# KiCad board novapcb-layout-v1.1.kicad_pcb (continued)
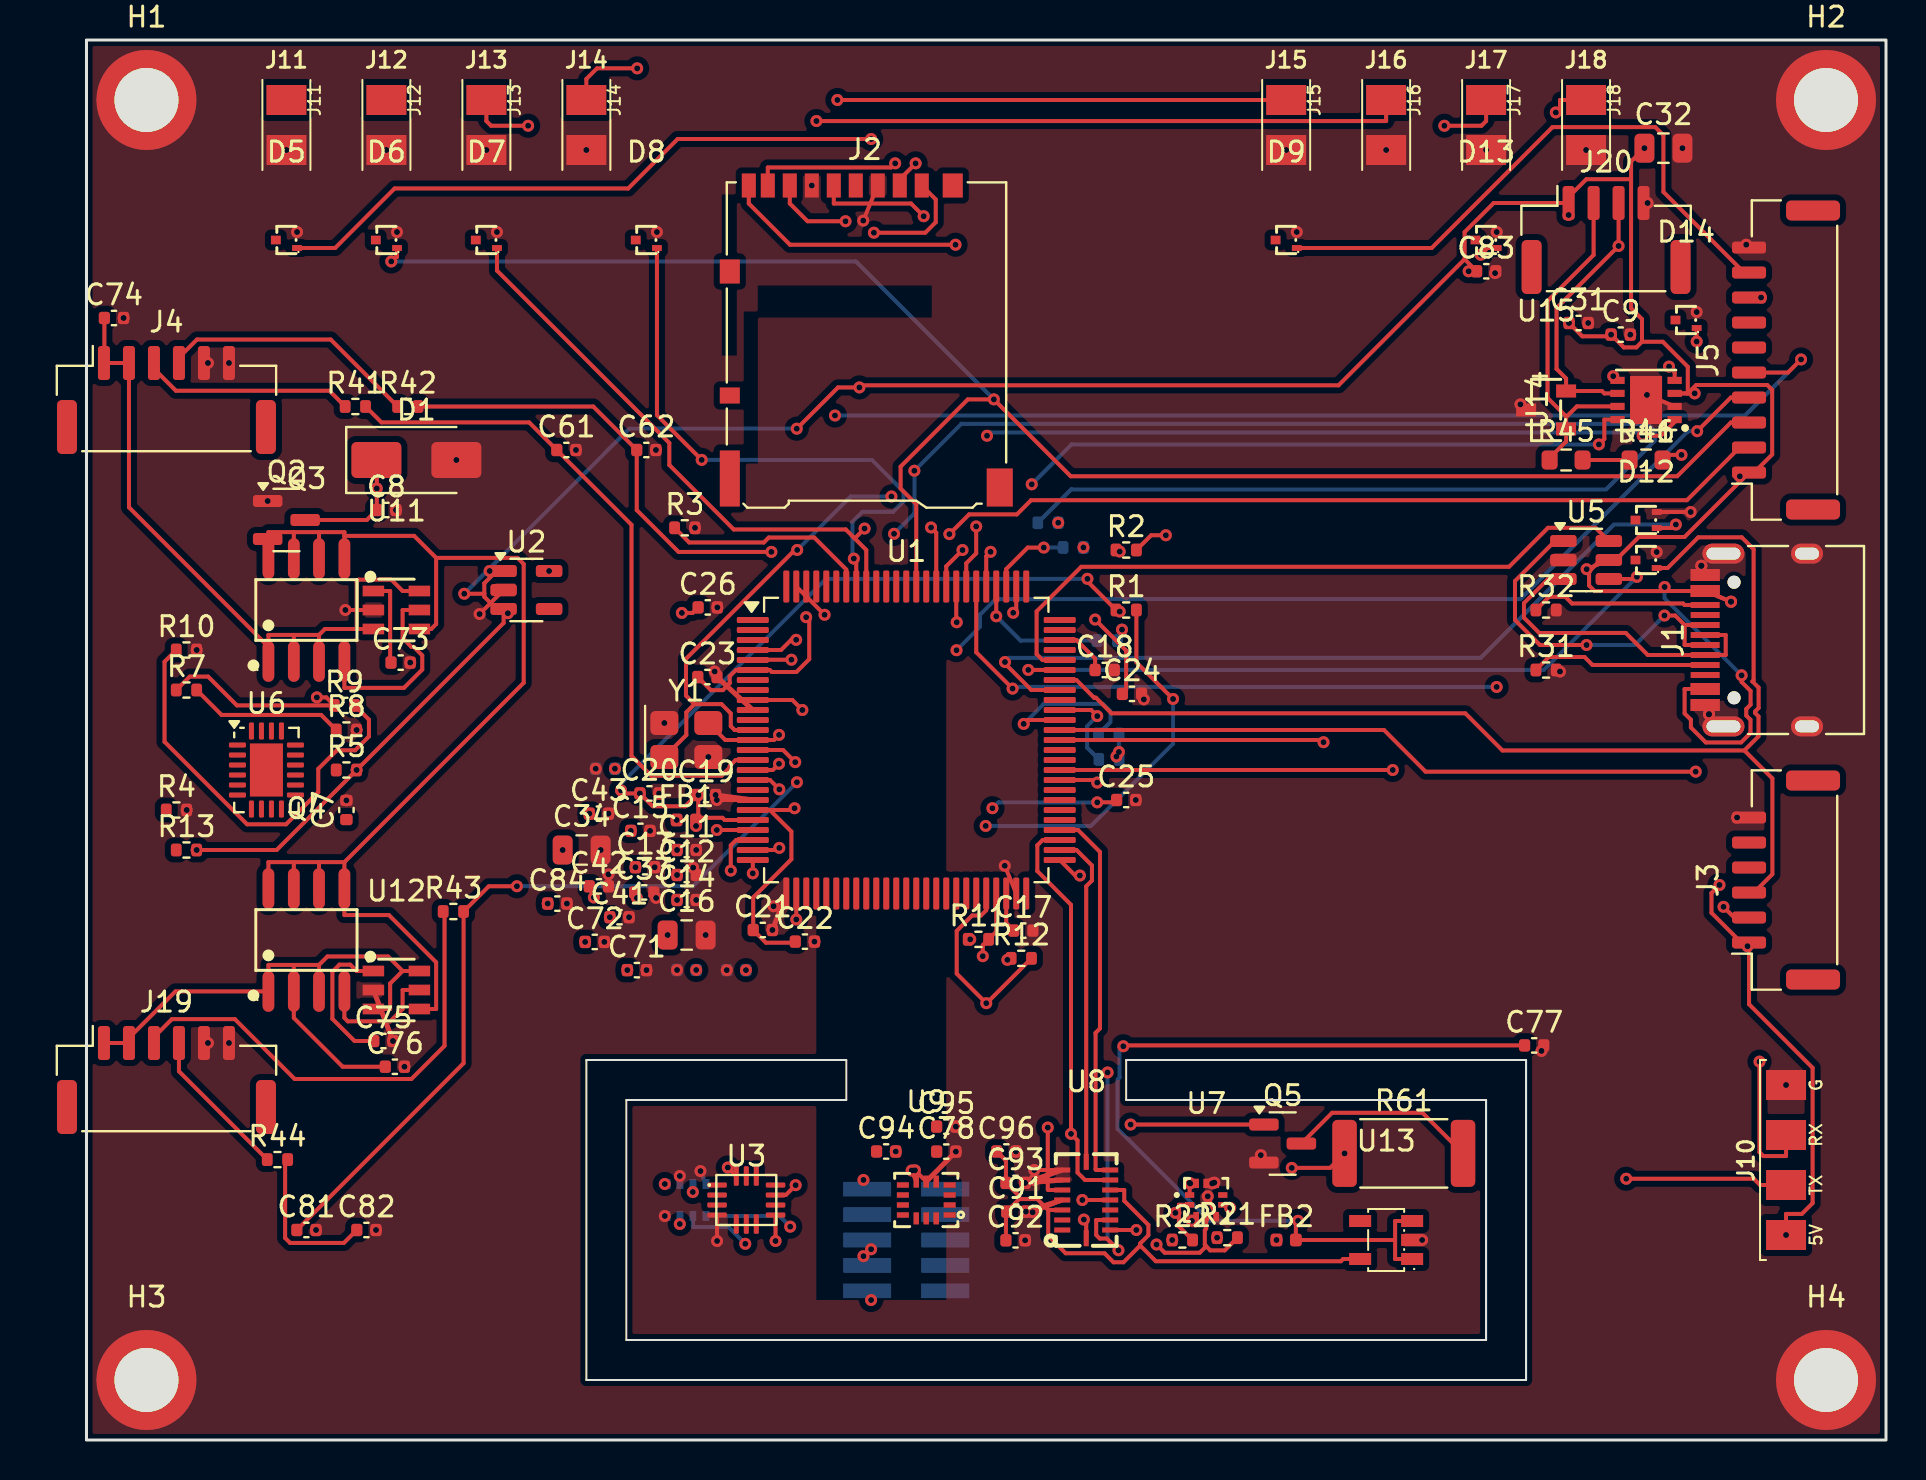
[diagram p0: board, top side]
## Nets
+3V3: C11.1 C12.1 C13.1 C14.1 C15.1 C16.1 C33.1 C34.1 C41.1 C42.1 C43.1 C51.1 C52.1 C63.1 C71.1 C72.1 C84.1 FB1.1 FB2.1 J2.4 J5.8 J9.1 R2.1 R11.1 R12.1 R21.1 R22.1 R51.1 R52.1 R53.1 R54.1 R55.1 U1.11 U1.27 U1.50 U1.75 U1.100 U2.5 U3.8 U3.14 U4.2 U4.6 U4.8 U7.1 U7.6 U7.10 U14.5
+3V3_IMU: C78.1 C91.1 C92.1 C93.1 C94.1 C95.1 C96.1 U8.3 U8.11 U9.5 U9.8 U13.5
+3V3_IMU_PRE: C77.1 FB2.2 U13.1 U13.3
+3V3A: C19.1 C20.1 FB1.2 R1.1 U1.21
+5V: C9.1 C31.1 C32.1 C83.1 J1.A4 J1.A9 J1.B4 J1.B9 J3.1 J5.1 J10.1 J20.1 R5.2 R13.2 R61.1 U2.1 U2.3 U5.5 U14.3
+5V_BEC: Q2.2 Q3.5 Q3.6 Q3.7 Q3.8 Q4.5 Q4.6 Q4.7 Q4.8 U11.4 U12.4
+5V_BEC_A: C74.1 J4.1 J4.2 Q3.1 Q3.2 Q3.3 U11.3 U11.6
+5V_BEC_B: C76.1 J19.1 J19.2 Q4.1 Q4.2 Q4.3 U12.3 U12.6
+5V_BEC_PROT: C8.1 D1.1 Q2.3 R7.1 R9.1
GND: C7.2 C8.2 C9.2 C11.2 C12.2 C13.2 C14.2 C15.2 C16.2 C17.2 C18.2 C19.2 C20.2 C21.2 C22.2 C23.2 C24.2 C25.2 C26.2 C31.2 C32.2 C33.2 C34.2 C41.2 C42.2 C43.2 C51.2 C52.2 C61.2 C62.2 C63.2 C71.2 C72.2 C73.2 C74.2 C75.2 C76.2 C77.2 C78.2 C81.2 C82.2 C83.2 C84.2 C91.2 C92.2 C93.2 C94.2 C95.2 C96.2 D1.2 D5.2 D6.2 D7.2 D8.2 D9.2 D11.2 D12.2 D13.2 D14.2 H1.1 H2.1 H3.1 H4.1 J1.A1 J1.A12 J1.B1 J1.B12 J1.S1 J2.3 J2.6 J3.6 J4.5 J4.6 J5.10 J9.3 J9.5 J9.9 J10.4 J11.2 J12.2 J13.2 J14.2 J15.2 J16.2 J17.2 J18.2 J19.5 J19.6 J20.4 Q2.1 Q5.2 R3.2 R4.2 R8.2 R10.2 R31.2 R32.2 U1.10 U1.19 U1.26 U1.49 U1.74 U1.99 U2.2 U3.4 U4.1 U4.5 U4.7 U5.2 U7.3 U7.5 U7.8 U7.9 U8.4 U8.6 U8.7 U9.6 U9.7 U11.2 U12.2 U13.2 U14.2 U14.9 U15.3 Y1.2 Y1.4
VBAT: C23.1 R2.2 U1.6
BATT2_CURRENT_SENS: C82.1 R44.2 U1.18
BATT2_VOLTAGE_SENS: C81.1 R43.2 U1.17
BATT_CURRENT_SENS: C62.1 R42.2 U1.16
BATT_VOLTAGE_SENS: C61.1 R41.2 U1.15
BMI088_ACC_INT2_TP: U8.1
BMI088_GYR_INT4_TP: U8.13
BOOT0: R3.1 U1.94
BUZZER: D9.1 J5.9 U1.88
CAN1_RX: U1.81 U14.4
CAN1_TX: U1.82 U14.1
CAN_TERM_MID: R45.2 R46.1
CANH_NET: J20.2 R45.1 U14.7 U15.1
CANL_NET: J20.3 R46.2 U14.6 U15.2
EFUSE_DVDT: C7.1
EFUSE_EN: R7.2 R8.1
EFUSE_FLT: R13.1
EFUSE_ILIM: R4.1
EFUSE_OVP: R9.2 R10.1
EFUSE_PGOOD: R5.1
GPIO_CAN1_SILENT: U1.84 U14.8
GPS1_RX: D6.1 J5.3 U1.87
GPS1_TX: D5.1 J5.2 U1.86
HEATER_DRAIN: Q5.3 R61.2
HEATER_PWM: Q5.1 U1.77
HSE_IN: C24.1 U1.12 Y1.1
HSE_OUT: C25.1 U1.13 Y1.3
I2C1_SCL: D7.1 J5.4 R22.2 U1.92 U7.2
I2C1_SDA: D8.1 J5.5 R21.2 U1.93 U7.4
I2C2_SCL: R12.2 U1.46 U4.4
I2C2_SDA: R11.2 U1.47 U4.3
IMU1_CS: U1.9 U3.10
IMU2_ACC_CS: U1.51 U8.14
IMU2_ACC_INT1: U1.4 U8.16
IMU2_GYR_CS: U1.85 U8.5
IMU2_GYR_INT3: U1.5 U8.12
IMU3_CS: U1.1 U9.12
IMU3_INT1: U1.41 U9.4
IMU_INT1_TP: U3.1
LPS22HB_INT_TP: U7.7
LSM6DSV_INT2_TP: U9.9
MAUCH2_CURR_PRE: J19.4 R44.1
MAUCH2_VBAT_PRE: J19.3 R43.1
MAUCH_CURR_PRE: J4.4 R42.1
MAUCH_VBAT_PRE: J4.3 R41.1
MOT1: J11.1 U1.34
MOT2: J12.1 U1.35
MOT3: J13.1 U1.22
MOT4: J14.1 U1.23
MOT5: J15.1 U1.24
MOT6: J16.1 U1.25
MOT7: J17.1 U1.59
MOT8: J18.1 U1.60
NRST: C26.1 J9.10 U1.14
ORING_A_GATE: Q3.4 U11.5
ORING_A_VCAP: C73.1 U11.1
ORING_B_GATE: Q4.4 U12.5
ORING_B_VCAP: C75.1 U12.1
SAFETY_LED_TP: J5.7
SAFETY_SW_TP: J5.6
SDMMC1_CLK: J2.5 U1.80
SDMMC1_CMD: J2.2 R51.2 U1.83
SDMMC1_D0: J2.7 R52.2 U1.65
SDMMC1_D1: J2.8 R53.2 U1.66
SDMMC1_D2: J2.9 R54.2 U1.78
SDMMC1_D3: J2.1 R55.2 U1.79
SPI1_MISO: U1.30 U3.9
SPI1_MOSI: U1.31 U3.12
SPI1_SCK: U1.29 U3.11
SPI2_MISO: U1.53 U8.10 U8.15
SPI2_MOSI: U1.54 U8.9
SPI2_SCK: U1.52 U8.8
SPI3_MISO: U1.90 U9.1
SPI3_MOSI: U1.91 U9.14
SPI3_SCK: U1.89 U9.13
SWCLK: J9.4 U1.76
SWDIO: J9.2 U1.72
USART1_RX: D12.1 J3.3 U1.69
USART1_TX: D11.1 J3.2 U1.68
USART6_RX: D14.1 J10.3 U1.64
USART6_TX: D13.1 J10.2 U1.63
USB_DM: U1.70 U5.4
USB_DP: U1.71 U5.6
USBC_CC1: J1.A5 R31.1
USBC_CC2: J1.B5 R32.1
USBC_D_M_PRE: J1.A7 J1.B7 U5.3
USBC_D_P_PRE: J1.A6 J1.B6 U5.1
VCAP1: C17.1 U1.48
VCAP2: C18.1 U1.73
VREF_P: C21.1 C22.1 R1.2 U1.20

Pads without a net: D5 3; D6 3; D7 3; D8 3; D9 3; D11 3; D12 3; D13 3; D14 3; J1 A8 B8; J2 10 11; J3 4 5 MP; J4 MP; J5 MP; J9 6 7 8; J19 MP; J20 MP; U1 2 3 7 8 28 32 33 36 37 38 39 40 42 43 44 45 55 56 57 58 61 62 67 95 96 97 98; U2 4; U3 2 3 5 6 7 13; U6 1 2 3 4 5 6 7 8 9 10 11 12 13 14 15 16 17 18 19 20 21; U8 2; U9 2 3 10 11; U13 4

## Via types
v1: diameter 0.6, hole 0.3, Top to Bottom, 289 vias

## Routing (per net, layer and track width the routed paths; a pad name or vN(x,y) marks a point on that pad's centre or on a via; arc(x,y) is an arc through that point)
+3V3: length 9.9
  Top w0.2: U3.14 v1(32.08,13.62) ; R11.1 v1(44.2,25.03) ; U7.10 v1(55.2,12.83) ; U1.27 v1(35.5,26.03) ; C42.1 v1(25.38,27.13) ; U7.6 v1(57.2,11.61) ; U3.8 v1(34.46,9.95) ; U14.5 v1(76.36,53.19) ; C33.1 v1(27.53,27.1) ; U7.1 v1(55.17,12.85) ; R2.1 v1(51.67,44.42) ; R12.1 v1(46.06,24.01) ; J5.8 v1(83.75,57.12)
  Bottom w0.2: R53.1 v1(51.51,34.17) ; R55.1 v1(51.79,40.52) ; U4.2 v1(29.68,10.8) ; R52.1 v1(51.63,34.4) ; J9.1 v1(39.24,7) ; U4.6 v1(30.32,12.4) ; U4.8 v1(28.92,12.8)
  vias: v1(23.14,43.45) v1(23.07,26.82) v1(23.82,29.5) v1(24.94,24.9) v1(25.15,31.32) v1(26.18,26.14) v1(26.43,33.57) v1(27.05,23.49) v1(27.23,30.46) v1(27.46,28.64) v1(29.07,25.25) v1(29.52,31) v1(29.54,29.5) v1(29.54,28.25) v1(29.54,27) v1(30.5,23.5) v1(32.98,23.49) v1(48.6,45.86) v1(49.86,44.63) v1(54.3,10) v1(56.54,10.12) v1(59.52,10)
+3V3_IMU: length 29.9
  Top w0.2: 46.65,12.05 47.55,12.05 48.1,11.5 ; 46.65,12.05 C91.1 45.98,11.38 C92.1 ; 46.65,12.05 46.65,12.19 C93.1 45.98,13.97 C96.1 ; 48.1,11.5 U8.3 ; 48.1,11.5 48.1,10.21 48.97,9.34 50.91,9.34 51.36,8.89 51.86,8.89 52.7,9.72 ; U8.11 51.9,12.5 51.9,11.96 53.11,10.75 53.11,10.23 52.7,9.82 52.7,9.72 ; 52.7,9.72 53.48,8.94 62.74,8.94 62.85,9.05 U13.5
+3V3_IMU_PRE: length 44.8
  Top w0.2: 65.45,10 65.45,10.95 U13.3 ; 65.45,10 FB2.2 60.48,10.85 v1(60.6,10.96) ; 65.45,10 65.45,9.05 U13.1 ; C77.1 51.9,19.73 v1(51.85,19.69)
  Bottom w0.2: v1(51.85,19.69) 51.67,19.5 51.67,18.13 51.57,18.02 51.57,15.56 56.16,10.96 v1(60.6,10.96)
+3V3A: length 39.1
  Top w0.2: v1(50.06,43.06) 50.06,42.93 R1.1 v1(51.67,41.42) ; U1.21 31.92,31 31.81,31.11 30.6,31.11 ; C19.1 29.94,31.69 28.32,31.69 v1(27.68,32.33) 26.89,32.33 v1(26.74,32.48) ; C19.1 v1(30.61,32.25) ; C19.1 30.6,32.16 30.6,31.11 ; v1(30.48,30.7) FB1.2 30.6,31.11
  Bottom w0.2: v1(26.74,32.48) 26.74,32.81 36.98,43.06 v1(50.06,43.06)
+5V: length 250.7
  Top w0.2: v1(82.78,38.23) 82.78,37.9 83.23,37.45 83.23,36.77 83.01,36.55 83.01,36.22 83.22,36.01 83.22,35.35 82.75,34.88 80.99,34.88 80.24,35.63 80.24,36.01 80.24,36.01 79.93,36.33 79.93,37.55 J1.A4 ; v1(60.28,13.61) 62.2,13.61 v1(62.92,14.33) ; v1(5.51,29.5) 9.51,29.5 v1(13.51,33.5) 20.86,40.85 U2.3 ; U5.5 v1(75.03,43.54) ; U5.5 75.72,44 75.15,43.43 75.15,42.72 75.43,42.45 78.92,42.45 78.93,42.45 ; U5.5 76.49,44 77.64,45.15 79.93,45.15 J5.1 ; J3.1 v1(83.07,24.69) ; J3.1 82.76,24.88 81.27,26.36 81.27,27.35 v1(81.67,27.75) ; J3.1 83.15,21.79 86.33,18.61 86.33,11.84 85.79,11.3 85,11.3 v1(85,10.25) ; 80.09,52.33 80.09,53.66 78.83,54.91 77.8,54.91 ; 80.09,52.33 U14.3 v1(80.43,52.33) ; 80.09,52.33 80.51,52.75 84.06,52.75 84.31,52.5 84.31,49.28 83.41,48.38 J5.1 ; 19.9,42.31 19.9,42.84 20.51,43.45 U2.1 v1(20.16,43.45) ; 19.9,42.31 v1(18.89,42.31) ; 19.9,42.31 19.9,42.16 20.51,41.55 U2.3 ; J1.A9 v1(82.25,41.91) J1.A9 ; J1.A9 78.93,42.45 ; 77.8,54.91 77.51,54.63 76.89,54.63 v1(76.25,55.27) 76.17,55.18 74.81,55.18 v1(74.14,55.85) ; 77.8,54.91 77.8,56.04 77.25,56.59 77.25,63.04 ; U2.3 v1(21.07,41.34) ; 77.25,63.04 77.25,63.92 v1(77.92,64.59) ; 77.25,63.04 75.02,63.04 74.12,62.15 J20.1 ; v1(35.52,50.57) 37.59,52.63 v1(38.66,52.63) 38.76,52.73 62.62,52.73 68.92,59.04 ; v1(69.13,58.44) C83.1 68.92,59.04 ; J20.1 70.38,61.85 68.92,60.39 68.92,59.04 ; J20.1 v1(74.12,61.25) ; J5.1 v1(82.69,48.18) ; v1(78.93,42.65) 78.93,42.45
  In3.Cu w0.2: v1(81.67,27.75) 83.25,29.33 83.25,37.76 v1(82.78,38.23) ; v1(60.28,13.61) 53.52,13.61 48.68,18.44 48.68,35.45 47.21,36.92 46.11,36.92 45.67,37.37 45.67,38.19 43.76,40.09 43.41,40.09 42.61,40.88 42.61,40.95 39.98,43.58 39.98,44.45 39.78,44.65 39.78,45.75 38.66,46.88 v1(38.66,52.63)
  Bottom w0.2: v1(82.78,38.23) 78.93,42.09 v1(78.93,42.65) ; v1(35.52,50.57) 27.15,50.57 v1(18.89,42.31)
+5V_BEC: length 61.7
  Top w0.2: 11.63,28.89 12.9,28.89 ; 11.63,28.89 Q4.6 ; 11.63,28.89 10.37,28.89 ; 12.9,28.89 Q4.5 12.9,26.25 15.13,26.25 17.49,23.89 17.49,21.55 U12.4 ; 12.9,28.89 21.87,37.86 21.87,43.8 21.56,44.11 17.49,44.11 ; 10.37,45.39 11.63,45.39 ; 10.37,45.39 9.1,45.39 Q3.8 9.1,45.01 Q2.2 ; 10.37,45.39 Q3.7 ; 11.63,45.39 Q3.6 ; 11.63,45.39 12.9,45.39 12.9,45.21 ; Q3.5 12.9,45.21 ; 12.9,45.21 16.39,45.21 17.49,44.11 ; U11.4 17.24,40.55 17.49,40.8 17.49,44.11 ; 10.37,28.89 9.1,28.89 Q4.8 ; 10.37,28.89 Q4.7
+5V_BEC_A: length 35.7
  Top w0.2: U11.3 13.51,40.55 ; 13.51,40.55 13.51,42.91 13.62,43.02 15.24,43.02 15.81,42.45 U11.6 ; 13.51,40.55 11.93,40.55 11.63,40.25 ; 10.37,40.25 11.63,40.25 ; 10.37,40.25 Q3.2 ; 10.37,40.25 9.1,40.25 9.1,39.66 ; 11.63,40.25 Q3.3 ; 9.1,39.66 2.12,46.64 J4.2 0.9,53.85 ; 9.1,39.66 Q3.1 ; 0.9,53.85 C74.1 ; 0.9,53.85 J4.1
+5V_BEC_B: length 31.3
  Top w0.2: C76.1 12.81,18.66 10.37,21.11 Q4.2 10.37,23.75 ; 11.63,23.75 12.05,24.18 15.09,24.18 15.81,23.45 ; 11.63,23.75 10.37,23.75 ; 11.63,23.75 Q4.3 ; 10.37,23.75 9.1,23.75 Q4.1 4.45,22.43 2.12,20.1 J19.2 J19.1 ; U12.3 15.19,21.55 15.19,22.83 15.81,23.45 ; 15.81,23.45 U12.6
+5V_BEC_PROT: length 27.8
  Top w0.2: D1.1 14.52,48.98 v1(14.52,47.58) C8.1 14.02,46 Q2.3 ; v1(11.52,37.13) 11.99,37.13 R9.1 7.52,36.73 6.08,38.17 5.16,38.17 R7.1
  In3.Cu w0.2: v1(14.52,47.58) 11.52,44.58 v1(11.52,37.13)
GND: length 50
  Top w0.2: J3.6 v1(82.55,31.12) ; U9.7 v1(41.27,13.47) ; U9.6 v1(41.43,13.49) ; R31.2 v1(73.69,38.42) ; C33.2 v1(28.49,27.1) ; J4.5 v1(6.08,53.85) ; J20.4 v1(78.08,61.85) ; U1.99 v1(36.91,41.26) ; U7.5 v1(56.08,12.19) ; U1.26 v1(34.36,26.69) ; U14.2 v1(78.04,52.25) ; U2.2 v1(19.66,41.3) ; C12.2 v1(30.34,28.62) ; U15.3 v1(71.72,51.78) ; U13.2 v1(66.8,10) ; U7.3 v1(55.29,10.96) ; U1.19 v1(31.52,32) ; J2.3 v1(38.85,60.97) ; C42.2 v1(26.11,28.28) ; U11.2 v1(12.95,41.5) ; 52.77,37.31 v1(52.88,37.03) ; J19.5 v1(6.08,19.85) ; C23.2 v1(31.42,38.43) ; Q5.2 v1(58.73,14.24) ; U3.4 v1(31.54,9.95) ; U8.4 v1(47.32,11.39) ; U8.6 v1(47.4,13) ; U7.8 v1(56.41,12.87) ; D11.2 v1(80.23,46.4) ; U7.9 v1(56.3,12.83) ; C77.2 v1(72.77,19.45) ; U8.7 v1(47.4,13.5) ; J5.10 v1(83.01,59.77) ; U1.49 v1(45.93,28.71) ; C83.2 v1(70.45,58.34) ; J1.A1 v1(81.15,36.29) J1.A1 ; J1.A12 v1(80.76,43.71) J1.A12
  Top w0.25: U1.26 v1(34.3,25.5) ; U9.6 v1(43.48,14.42) ; U1.19 v1(31.46,32.25) ; U8.6 v1(46.94,12.86) U8.7 ; U12.2 v1(15.33,19.95) ; U8.4 v1(46.98,11.42) ; U1.10 C23.2
  Bottom w0.2: U4.7 v1(29.67,13.2) ; J9.3 v1(38.86,9.19) ; J9.5 v1(39.24,9.54) ; U4.5 v1(30.71,13.45) ; J9.9 v1(38.86,13) ; U4.1 v1(28.92,11.2)
  vias: v1(1.85,56.1) v1(5.01,31.5) v1(5.51,39.5) v1(7.12,53.85) v1(7.12,19.85) v1(9.06,46.95) v1(10,64.5) v1(10.53,60.4) v1(11.48,10.5) v1(13,31.98) v1(13.51,35.5) v1(14.48,10.5) v1(15,64.5) v1(15.53,60.4) v1(15.48,46.5) v1(15.9,18.66) v1(16.19,38.87) v1(18.5,49) v1(20,64.5) v1(20.53,60.4) v1(24.03,26.82) v1(24.48,49.5) v1(25,64.5) v1(25.47,33.57) v1(25.71,29.5) v1(25.9,24.9) v1(26.11,31.32) v1(27.14,26.14) v1(28.01,23.49) v1(28.19,30.46) v1(28.42,28.64) v1(28.53,60.4) v1(28.48,49.5) v1(28.64,32.33) v1(28.9,35.85) v1(29.54,23.5) v1(30.43,45.61) v1(30.5,29.5) v1(30.5,27) v1(30.96,25.25) v1(31.1,34.15) v1(31.55,41.63) v1(32.02,23.49) v1(36.27,62.73) v1(36.41,24.92) v1(40.47,14.43) v1(43.48,15.67) v1(46.49,14.43) v1(46.94,9.98) v1(52.48,32) v1(60,64.5) v1(60.53,60.4) v1(65,64.5) v1(70,64.5) v1(70.53,60.4) v1(75,64.5) v1(75.11,55.85) v1(77.21,55.27) v1(78.53,44.4) v1(79.82,64.59) v1(80.53,56.4) v1(85,17.75)
VBAT: length 64.5
  Top w0.2: R2.2 53.25,45.24 v1(53.98,45.24) ; C23.1 31.23,37.49 31.82,37.49 32.17,37.84 32.17,38.19 32.48,38.5 U1.6 34.18,38.5 34.28,38.4 35.51,38.4 36.15,39.04 36.15,40.99 v1(35.99,41.14)
  In3.Cu w0.2: v1(35.99,41.14) 36.33,41.48 36.33,60.81 38.16,62.64 38.16,64.85 38.96,65.66 41.17,65.66 42.59,64.24 42.59,63.85 42.54,63.8 42.54,63.72 50.78,55.48 50.92,55.48 53.98,52.42 v1(53.98,45.24)
BATT2_CURRENT_SENS: length 7.9
  Top w0.2: C82.1 12.87,9.85 10.19,9.85 9.94,10.1 9.94,13.89 R44.2
BATT2_VOLTAGE_SENS: length 41.3
  Top w0.2: v1(21.53,27.69) 20.12,27.69 R43.2 18.86,18.84 C81.1 ; U1.17 34.18,33 v1(34.65,32.53)
  In3.Cu w0.2: v1(34.65,32.53) 35.18,32.53 v1(35.53,32.89)
  Bottom w0.2: v1(21.53,27.69) 30.33,27.69 v1(35.53,32.89)
BATT_CURRENT_SENS: length 34.9
  Top w0.2: v1(34.25,44.4) 29.61,44.4 27.52,46.5 C62.1 25.34,51.67 R42.2 ; U1.16 34.33,33.5 v1(34.64,33.81)
  In3.Cu w0.2: v1(34.64,33.81) 33.99,34.45 33.99,44.14 v1(34.25,44.4)
BATT_VOLTAGE_SENS: length 34.2
  Top w0.2: R41.2 14.75,50.88 22.14,50.88 C61.1 27.26,45.76 27.26,34.2 28.25,33.21 31.76,33.21 32.17,33.62 32.17,33.7 32.47,34 U1.15
BOOT0: length 10.5
  Top w0.2: U1.94 38,43.52 36.4,45.12 34.12,45.12 33.88,44.88 30.15,44.88 R3.1
BUZZER: length 29.8
  Top w0.2: D9.1 67.28,59.6 73.32,65.64 78.46,65.64 78.87,65.24 78.87,62.4 82.9,58.38 J5.9
CAN1_RX: length 50.5
  Top w0.2: U14.4 79.43,53.39 v1(79.15,53.67) ; v1(46.32,37.57) 44.5,39.39 U1.81
  In3.Cu w0.2: v1(79.15,53.67) 78.68,53.2 78.68,45.81 v1(70.53,37.65)
  Bottom w0.2: v1(46.32,37.57) 46.4,37.65 v1(70.53,37.65)
CAN1_TX: length 42.9
  Top w0.2: U14.1 79.43,50.9 78.74,50.21 v1(77.83,50.21) ; U1.82 44,43.84 44.5,44.33 v1(44.5,45.68)
  In3.Cu w0.2: v1(45.04,50.21) 44.5,49.67 44.5,45.68 v1(44.5,45.68)
  Bottom w0.2: v1(45.04,50.21) 45.21,50.38 77.66,50.38 v1(77.83,50.21)
CAN_TERM_MID: length 2.3
  Top w0.2: R46.1 R45.2
CANH_NET: length 17.3
  Top w0.2: J20.2 75.38,59.25 73.07,56.95 73.07,52.1 74,51.18 74,51.14 ; 74,51.14 74.54,51.68 U14.7 ; 74,51.14 U15.1 74,49.92 73.17,49.1 R45.1
CANL_NET: length 26.3
  Top w0.2: R46.2 79.08,49.26 v1(79.77,49.26) ; U14.6 75.91,52.33 75.79,52.45 U15.2 74,53.08 73.52,53.55 73.52,56.6 v1(76.62,59.7) J20.3
  In3.Cu w0.2: v1(79.77,49.26) 79.77,49.26 79.77,56.55 v1(76.62,59.7)
EFUSE_EN: length 7.8
  Top w0.2: R8.1 11.74,36.25 6.76,36.25 R7.2
EFUSE_OVP: length 21.1
  Top w0.2: R10.1 3.9,38.91 3.9,34.91 8.03,30.78 9.98,30.78 11.59,32.39 11.59,33.56 12.52,34.49 13.43,34.49 14.13,35.18 14.13,36.02 R9.2
GPIO_CAN1_SILENT: length 40
  Top w0.2: U14.8 75.91,51.02 75.91,50.05 v1(75.64,49.78) ; v1(43.81,44.5) 43,43.69 U1.84
  In3.Cu w0.2: v1(47.28,47.79) 47.28,45.6 45.48,43.81 44.5,43.81 v1(43.81,44.5)
  Bottom w0.2: v1(75.64,49.78) 49.27,49.78 v1(47.28,47.79)
GPS1_RX: length 86.7
  Top w0.2: J5.3 82.24,50.88 79.56,48.19 49.22,48.19 v1(45.38,52.03) 44.08,52.03 40.72,48.67 40.72,47.57 41.5,46.79 U1.87 ; v1(15.24,58.93) 15.47,59.15 15.53,59.15 D6.1
  Bottom w0.2: v1(15.24,58.93) 38.48,58.93 v1(45.38,52.03)
GPS1_TX: length 94.1
  Top w0.2: v1(43.16,45.29) 44.14,46.28 46.53,46.28 47.24,46.99 80.04,46.99 82.68,49.62 J5.2 ; D5.1 12.43,59.6 15.41,62.58 27.09,62.58 29.57,65.05 v1(39.25,65.05)
  In3.Cu w0.2: v1(39.25,65.05) 39.25,62.21 40.4,61.05 40.4,48.61 42.85,46.17 42.85,45.6 v1(43.16,45.29)
HEATER_DRAIN: length 9.6
  Top w0.2: R61.2 66.82,16.36 62.3,16.36 Q5.3
HEATER_PWM: length 36.1
  Top w0.2: Q5.1 v1(52.22,15.77) ; U1.77 46.5,41.51 v1(46.35,41.36)
  In3.Cu w0.2: v1(52.22,15.77) 49.08,18.91 49.08,38.63 v1(46.35,41.36)
HSE_IN: length 40.6
  Top w0.2: v1(50.45,41.02) 52,39.47 52,37.5 C24.1 ; 30.41,36.79 29.98,37.22 29.98,39.06 35.43,44.5 v1(35.54,44.5) ; 30.41,36.79 31.76,36.79 32.22,36.33 32.22,35.69 32.42,35.5 U1.12 ; 30.41,36.79 30,36.39 30,35.25 Y1.1
  In3.Cu w0.2: v1(40.26,47.18) 41.64,45.8 41.64,45.38 41.99,45.03 42.41,45.03 44.03,43.41 48.06,43.41 v1(50.45,41.02)
  Bottom w0.2: v1(35.54,44.5) 38.22,47.18 v1(40.26,47.18)
HSE_OUT: length 25.4
  Top w0.2: v1(34.64,35.26) 34.38,35 U1.13 31.95,35 Y1.3 ; C25.1 51.4,31.88 v1(50.55,31.88)
  In3.Cu w0.2: v1(34.64,35.26) 34.64,36.86 35.28,37.5 39.4,37.5 v1(45.31,31.59)
  Bottom w0.2: v1(45.31,31.59) 45.6,31.88 v1(50.55,31.88)
I2C1_SCL: length 117.9
  Top w0.2: 54.64,11.36 54.64,10.68 R22.2 ; 54.64,11.36 54.64,11.76 U7.2 ; 54.64,11.36 v1(54.46,11.36) ; v1(80.56,50.44) 82.24,52.12 J5.4 ; 38.42,45.08 39,44.5 U1.92 ; 38.42,45.08 v1(38.92,45.57) ; 38.42,45.08 37.97,45.53 32.37,45.53 29.15,48.75 29.15,49.85 20.53,58.47 D7.1
  In3.Cu w0.2: v1(38.92,45.57) 39.38,45.11 39.38,44.49 39.38,44.49 39.38,43.55 43.44,39.49 v1(43.51,39.49) 45.27,37.74 45.27,37.2 45.95,36.52 47.03,36.52 48.28,35.27 48.28,18.25 54.46,12.07 v1(54.46,11.36)
  Bottom w0.2: v1(43.51,39.49) 44.69,40.66 44.69,41.27 45.47,42.05 71.71,42.05 80.11,50.44 v1(80.56,50.44)
I2C1_SDA: length 135.8
  Top w0.2: U7.4 56,10.56 55.93,10.5 55.93,9.76 56,9.69 ; 56,9.69 55.68,9.36 53.93,9.36 v1(53.52,9.77) ; 56,9.69 56.21,9.48 56.93,9.48 R21.2 ; v1(30.77,49) 28.53,51.24 D8.1 ; J5.5 85.1,53.38 v1(85.75,54.03) ; U1.93 38.5,43.95 v1(38.38,44.07)
  In3.Cu w0.2: v1(37.44,51.22) 37.44,45.01 v1(38.38,44.07) 38.38,42.95 47.88,33.45 47.88,17.52 53.52,11.88 v1(53.52,9.77)
  Bottom w0.2: v1(37.44,51.22) 82.95,51.22 v1(85.75,54.03) ; v1(38.38,44.07) 38.3,44.15 38.3,45.9 38.81,46.41 40.34,46.41 40.86,46.93 40.86,47.43 39.28,49 v1(30.77,49)
I2C2_SCL: length 29.8
  Top w0.2: U1.46 45,26.49 44.74,26.22 44.29,26.22 43.52,25.45 43.52,23.32 v1(45,21.84) 45.02,21.84 R12.2
  In3.Cu w0.2: v1(45,21.84) 45,20.47 v1(35.2,10.67)
  Bottom w0.2: U4.4 34.66,11.2 v1(35.2,10.67)
I2C2_SDA: length 26.5
  Top w0.2: U1.47 45.5,25.41 R11.2 44.83,24.74 v1(44.83,24.19)
  In3.Cu w0.2: v1(32.95,9.81) 33.43,9.81 43.26,19.64 43.26,22.62 v1(44.83,24.19)
  Bottom w0.2: v1(32.95,9.81) 32.11,10.65 30.32,10.65 U4.3
IMU1_CS: length 29.9
  Top w0.2: U1.9 35.3,37 v1(35.8,36.5) ; v1(35.47,12.74) 34.98,12.25 U3.10
  In3.Cu w0.2: v1(35.8,36.5) 38.32,33.99 38.32,15.59 v1(35.47,12.74)
IMU2_ACC_CS: length 23.7
  Top w0.2: U8.14 50.5,11 50.5,10.25 50.67,10.07 51.03,10.07 v1(51.61,9.49) ; v1(49.68,28.22) 49.45,28.22 U1.51
  In3.Cu w0.2: v1(49.68,28.22) 51.07,26.84 v1(51.07,18.38)
  Bottom w0.2: v1(51.61,9.49) 51.07,10.03 v1(51.07,18.38)
IMU2_ACC_INT1: length 40.4
  Top w0.2: v1(35.49,40.01) 35.25,40.01 34.74,39.5 U1.4 ; U8.16 50,10.79 49.88,10.91 v1(49.88,11.02)
  In3.Cu w0.2: v1(35.49,40.01) 35.49,40.01 38.31,40.01 47.07,31.25 47.07,15.76 50.45,12.38 50.45,11.59 v1(49.88,11.02)
IMU2_GYR_CS: length 76.7
  Top w0.2: U1.85 42.5,45.37 v1(42.24,45.63) ; U8.5 48.1,12.5 48.08,12.52 v1(48.08,15.62)
  In3.Cu w0.2: v1(42.24,45.63) 42.4,45.79 42.4,46.05 40,48.45 40,60.65 39.07,61.59 37.72,61.59 36.78,60.65 36.78,42.18 47.47,31.48 47.47,16.23 v1(48.08,15.62)
IMU2_GYR_INT3: length 38.4
  Top w0.2: U1.5 33.34,39.01 v1(35.26,39.01) ; U8.12 v1(49.81,12)
  In3.Cu w0.2: v1(35.26,39.01) 38.74,39.01 46.67,31.08 46.67,15.14 v1(49.81,12)
MAUCH2_CURR_PRE: length 7.7
  Top w0.2: J19.4 4.62,18.44 R44.1
MAUCH2_VBAT_PRE: length 23.9
  Top w0.2: J19.3 3.38,20.15 4.27,21.04 7.42,21.04 10.41,18.05 16.25,18.05 17.91,19.71 17.91,26.36 R43.1
MAUCH_CURR_PRE: length 13
  Top w0.2: J4.4 4.62,54.12 5.53,55.02 12.21,55.02 R42.1
MAUCH_VBAT_PRE: length 10.6
  Top w0.2: J4.3 3.38,53.56 4.47,52.46 12.15,52.46 R41.1
MOT3: length 44.2
  Top w0.2: J13.1 20,65.95 20.24,65.71 v1(22.09,65.71) ; U1.22 v1(31.52,30.5)
  In3.Cu w0.2: v1(31.52,30.5) 22.09,39.94 v1(22.09,65.71)
MOT4: length 48.7
  Top w0.2: v1(27.54,68.58) 25.53,68.58 25,68.05 J14.1 ; v1(32.22,28.47) 32.22,29.73 32.49,30 U1.23
  In3.Cu w0.2: v1(32.22,28.47) 32.62,28.87 32.62,63.5 v1(27.54,68.58)
MOT5: length 63.3
  Top w0.2: J15.1 v1(37.55,67) ; v1(34.65,29.6) 34.55,29.5 U1.24
  In3.Cu w0.2: v1(37.55,67) 37.55,62.86 33.58,58.89 33.58,30.67 v1(34.65,29.6)
MOT6: length 69.3
  Top w0.2: v1(36.51,65.95) 65,65.95 J16.1 ; v1(33.33,28.33) U1.25
  In3.Cu w0.2: v1(33.33,28.33) 33.18,28.48 33.18,62.62 v1(36.51,65.95)
MOT7: length 45.5
  Top w0.2: v1(50.55,32.87) 50.42,33 U1.59 ; J17.1 70,65.95 69.76,65.71 v1(67.91,65.71)
  In3.Cu w0.2: v1(50.55,32.87) 51.01,32.87 67.91,49.77 v1(67.91,65.71)
MOT8: length 54.9
  Top w0.2: U1.60 v1(65.33,33.5) ; J18.1 73.7,67 73.7,66.59 v1(73.49,66.38)
  In3.Cu w0.2: v1(73.49,66.38) 73.49,41.66 v1(65.33,33.5)
NRST: length 28.2
  Top w0.2: v1(35.45,33.89) 34.84,34.5 U1.14 ; C26.1 30.32,41.35 v1(29.78,41.35)
  In3.Cu w0.2: v1(29.78,41.35) 32.17,38.96 32.17,29.31 31.61,28.75 31.61,28.23 32.15,27.68 33.61,27.68 35.29,29.36 35.29,30.82 34.04,32.07 34.04,32.78 34.43,33.17 34.88,33.17 35.45,33.73 v1(35.45,33.89)
ORING_A_GATE: length 9.9
  Top w0.2: Q3.4 12.9,37.61 15.88,37.61 16.79,38.52 16.79,39.23 16.37,39.66 16.25,39.66 15.81,40.1 15.81,41.5 U11.5
ORING_A_VCAP: length 4.4
  Top w0.2: U11.1 15.19,42.45 15.19,38.91 C73.1
ORING_B_GATE: length 6.4
  Top w0.2: Q4.4 12.9,21.11 13.07,20.93 15.19,20.93 15.81,21.55 15.81,22.5 U12.5
ORING_B_VCAP: length 7.2
  Top w0.2: C75.1 13.41,19.95 12.3,21.06 12.3,23.41 12.65,23.77 13.19,23.77 13.51,23.45 U12.1
SDMMC1_CLK: length 25.8
  Top w0.2: J2.5 37.38,61.82 41.24,61.82 v1(41.87,61.19) ; v1(45.22,44.41) 45,44.19 U1.80
  In3.Cu w0.2: v1(45.22,44.41) 44.91,44.41 43.25,46.07 43.25,46.34 42.83,46.76 42.83,60.23 v1(41.87,61.19)
SDMMC1_CMD: length 99.2
  Top w0.2: v1(43.52,40.89) 43.5,40.91 U1.83 ; J2.2 40.67,63.04 v1(41.47,63.83)
  In3.Cu w0.2: v1(40.39,45.31) 40.39,44.02 v1(43.52,40.89) ; v1(41.41,48.46) 41.26,48.61 41.26,63.62 v1(41.47,63.83)
  Bottom w0.2: v1(40.39,45.31) 41.41,46.33 v1(41.41,48.46) 43.76,50.81 78.08,50.81 78.43,50.46 78.43,49.96 76,47.53 49.25,47.53 R51.2
SDMMC1_D0: length 41.5
  Top w0.2: U1.65 47.07,36 v1(46.87,35.8) ; v1(37.96,60.94) 36.06,60.94 35.17,61.82 J2.7
  In3.Cu w0.2: v1(46.87,35.8) 46.56,36.12 45.78,36.12 44.86,37.04 44.86,37.29 38.98,43.17 38.98,44.32 38.98,44.32 38.98,44.62 38.04,45.56 38.04,60.86 v1(37.96,60.94)
  Bottom w0.2: v1(46.87,35.8) 47.88,36.81 50.83,36.81 51.21,36.43 51.21,35.89 R52.2
SDMMC1_D1: length 46
  Top w0.2: U1.66 50.25,36.5 v1(50.55,36.19) ; J2.8 34.08,63.63 40.24,63.63 v1(40.45,63.83)
  In3.Cu w0.2: v1(40.45,63.83) 41.08,64.47 41.79,64.47 42.17,64.09 42.17,64 42.1,63.93 42.1,63.59 51.06,54.63 51.06,36.71 v1(50.55,36.19)
  Bottom w0.2: v1(50.55,36.19) 50.04,35.69 50.04,34.62 R53.2
SDMMC1_D2: length 33.2
  Top w0.2: J2.9 33.12,61.82 35.19,59.76 v1(43.46,59.76) ; U1.78 46,43.55 47.07,44.62 v1(47.88,44.62)
  In3.Cu w0.2: v1(43.46,59.76) 47.88,55.35 v1(47.88,44.62)
  Bottom w0.2: R54.2 48.84,44.62 v1(47.88,44.62)
SDMMC1_D3: length 34.3
  Top w0.2: v1(39.38,60.36) 41.95,60.36 42.47,60.89 42.47,62.03 J2.1 ; v1(45.5,41.19) U1.79
  In3.Cu w0.2: v1(45.5,41.19) 45.26,41.19 41.24,45.21 41.24,45.35 39.38,47.2 v1(39.38,60.36)
  Bottom w0.2: R55.2 46.72,39.97 v1(45.5,41.19)
SPI2_MISO: length 27.7
  Top w0.2: v1(52.51,10.5) U8.15 ; U1.53 47.82,30 47.56,29.73 47.56,28.44 49.24,26.76 v1(49.24,15.31) 49.57,14.98 49.57,13.37 49.94,13 U8.10
  In3.Cu w0.2: v1(49.24,15.31) 52.51,12.04 v1(52.51,10.5)
SPI2_MOSI: length 19.2
  Top w0.2: U1.54 49.59,30.5 50.69,29.4 50.69,20.58 50.47,20.36 50.47,13.53 50.5,13.5 U8.9
SPI2_SCK: length 16.9
  Top w0.2: U1.52 49.51,29.5 50.29,28.73 50.29,27.97 50,27.69 U8.8
USART1_RX: length 60.4
  Top w0.2: D12.1 79.08,43.6 80.61,45.13 82.78,45.13 83.38,44.54 83.38,37.98 83.32,37.93 83.63,37.62 83.63,36.6 83.46,36.43 83.46,36.35 83.62,36.18 83.62,35.18 82.92,34.48 ; U1.69 49.51,38 50.39,37.12 50.39,37.12 50.48,37.12 51.27,36.33 68.96,36.33 70.82,34.48 82.92,34.48 ; 82.92,34.48 84.32,33.08 84.32,28.29 83.4,27.38 J3.3
USART1_TX: length 62.4
  Top w0.2: v1(81.87,26.66) 82.41,26.12 J3.2 ; D11.1 79.32,45.6 v1(79.49,45.77) ; v1(45.94,38.9) 45.94,38.82 47.26,37.5 U1.68
  In3.Cu w0.2: v1(81.87,26.66) 79.53,29 79.53,45.74 v1(79.49,45.77)
  Bottom w0.2: v1(45.94,38.9) 46.15,39.11 69.73,39.11 76.4,45.77 v1(79.49,45.77)
USART6_RX: length 84.9
  Top w0.2: v1(80.48,33.42) 66.97,33.42 64.89,35.5 U1.64 ; J10.3 85,14.2 83.86,14.2 83.67,14.39 v1(83.67,18.92) ; v1(80.53,54.92) D14.1
  In3.Cu w0.2: 83.31,38.85 83.67,38.49 v1(83.67,18.92) ; 83.31,38.85 82.54,38.85 80.48,36.79 v1(80.48,33.42) ; 83.31,38.85 83.31,52.58 80.97,54.92 v1(80.53,54.92)
USART6_TX: length 78.6
  Top w0.2: U1.63 61.76,35 v1(61.87,34.89) ; J10.2 83.7,12.75 83.39,13.06 v1(77.01,13.06) ; D13.1 69.98,59.6 69.98,59.52 v1(69.73,59.26)
  In3.Cu w0.2: 64.73,34.89 64.73,28.36 77.01,16.08 v1(77.01,13.06) ; 64.73,34.89 v1(61.87,34.89) ; 64.73,34.89 69.73,39.89 v1(69.73,59.26)
USB_DM: length 35.4
  Top w0.2: v1(47.1,38.5) 48.67,38.5 U1.70 ; v1(77.54,43.16) 77.43,43.05 U5.4
  Bottom w0.2: v1(47.1,38.5) 72.89,38.5 v1(77.54,43.16)
USB_DP: length 34
  Top w0.2: U1.71 47.81,39 47.52,39.29 47.52,41.43 49.75,43.66 71.15,43.66 73.1,45.61 75.48,45.61 U5.6
USBC_CC1: length 8.9
  Top w0.2: J1.A5 75.32,38.75 74.93,39.15 73.14,39.15 R31.1
USBC_CC2: length 8.9
  Top w0.2: R32.1 73.15,42.16 73.96,42.16 74.3,41.83 79.85,41.83 79.93,41.75 J1.B5
USBC_D_M_PRE: length 16.1
  Top w0.2: J1.A7 81.98,40.25 81.98,39.25 J1.B7 78.09,39.25 76.99,40.35 74.77,40.35 74.77,40.35 72.66,40.35 71.89,41.12 71.89,41.85 73.1,43.05 U5.3
USBC_D_P_PRE: length 18.1
  Top w0.2: v1(78.92,41.22) 79.45,41.22 79.93,40.75 ; J1.A6 79.93,39.75 79.93,40.75 ; J1.B6 79.93,40.75 ; U5.1 73.44,44.95 71.44,42.95 71.44,41 72.69,39.75 v1(75.02,39.75)
  Bottom w0.2: v1(75.02,39.75) 77.44,39.75 v1(78.92,41.22)
VCAP1: length 2
  Top w0.2: C17.1 46,25.84 U1.48
VCAP2: length 2.7
  Top w0.2: U1.73 49.51,40 50.45,39.06 C18.1
VREF_P: length 48.8
  Top w0.2: U1.20 34.18,31.5 ; 34.18,31.5 35.25,30.42 35.25,29.04 33.34,27.13 33.34,25.5 33.98,24.87 35.4,24.87 C22.1 ; 34.18,31.5 35.33,31.5 v1(35.41,31.59) ; R1.2 52.51,38.88 v1(54.34,37.05)
  In3.Cu w0.2: v1(44.97,30.7) 38.57,37.1 35.5,37.1 35.14,36.74 35.14,36.11 36.13,35.11 36.13,32.31 v1(35.41,31.59)
  Bottom w0.2: v1(54.34,37.05) 54.34,34.81 50.23,30.7 v1(44.97,30.7)

## Copper pours and planes (outline as drawn; the poured copper is in the pictures)
+3V3 on In2.Cu: 0.3,69.7 89.7,69.7 89.7,0.3 0.3,0.3
+3V3 on In2.Cu: 0.3,69.7 89.7,69.7 89.7,0.3 0.3,0.3
GND on Top: 0.3,69.7 89.7,69.7 89.7,0.3 0.3,0.3
GND on Bottom: 0.3,69.7 89.7,69.7 89.7,0.3 0.3,0.3
GND on In1.Cu: 0.3,69.7 89.7,69.7 89.7,0.3 0.3,0.3
GND on In1.Cu: 0.3,69.7 89.7,69.7 89.7,0.3 0.3,0.3
GND on In4.Cu: 0.3,69.7 89.7,69.7 89.7,0.3 0.3,0.3
GND on In4.Cu: 0.3,69.7 89.7,69.7 89.7,0.3 0.3,0.3
